# Altium PCB MCU023_MSP-EXP432E401Y.PcbDoc (part 4 of 4)
Units mil, origin at the board's own origin, x right, y up, seen from the top; angles counter-clockwise.
Board outline 2500 x 6850 mil, 4 copper layers (Top Layer, VCC Layer, GND Layer, Bottom Layer), stack 62.434 mil thick; 203 components, 183 nets, 939 pads, 602 vias.
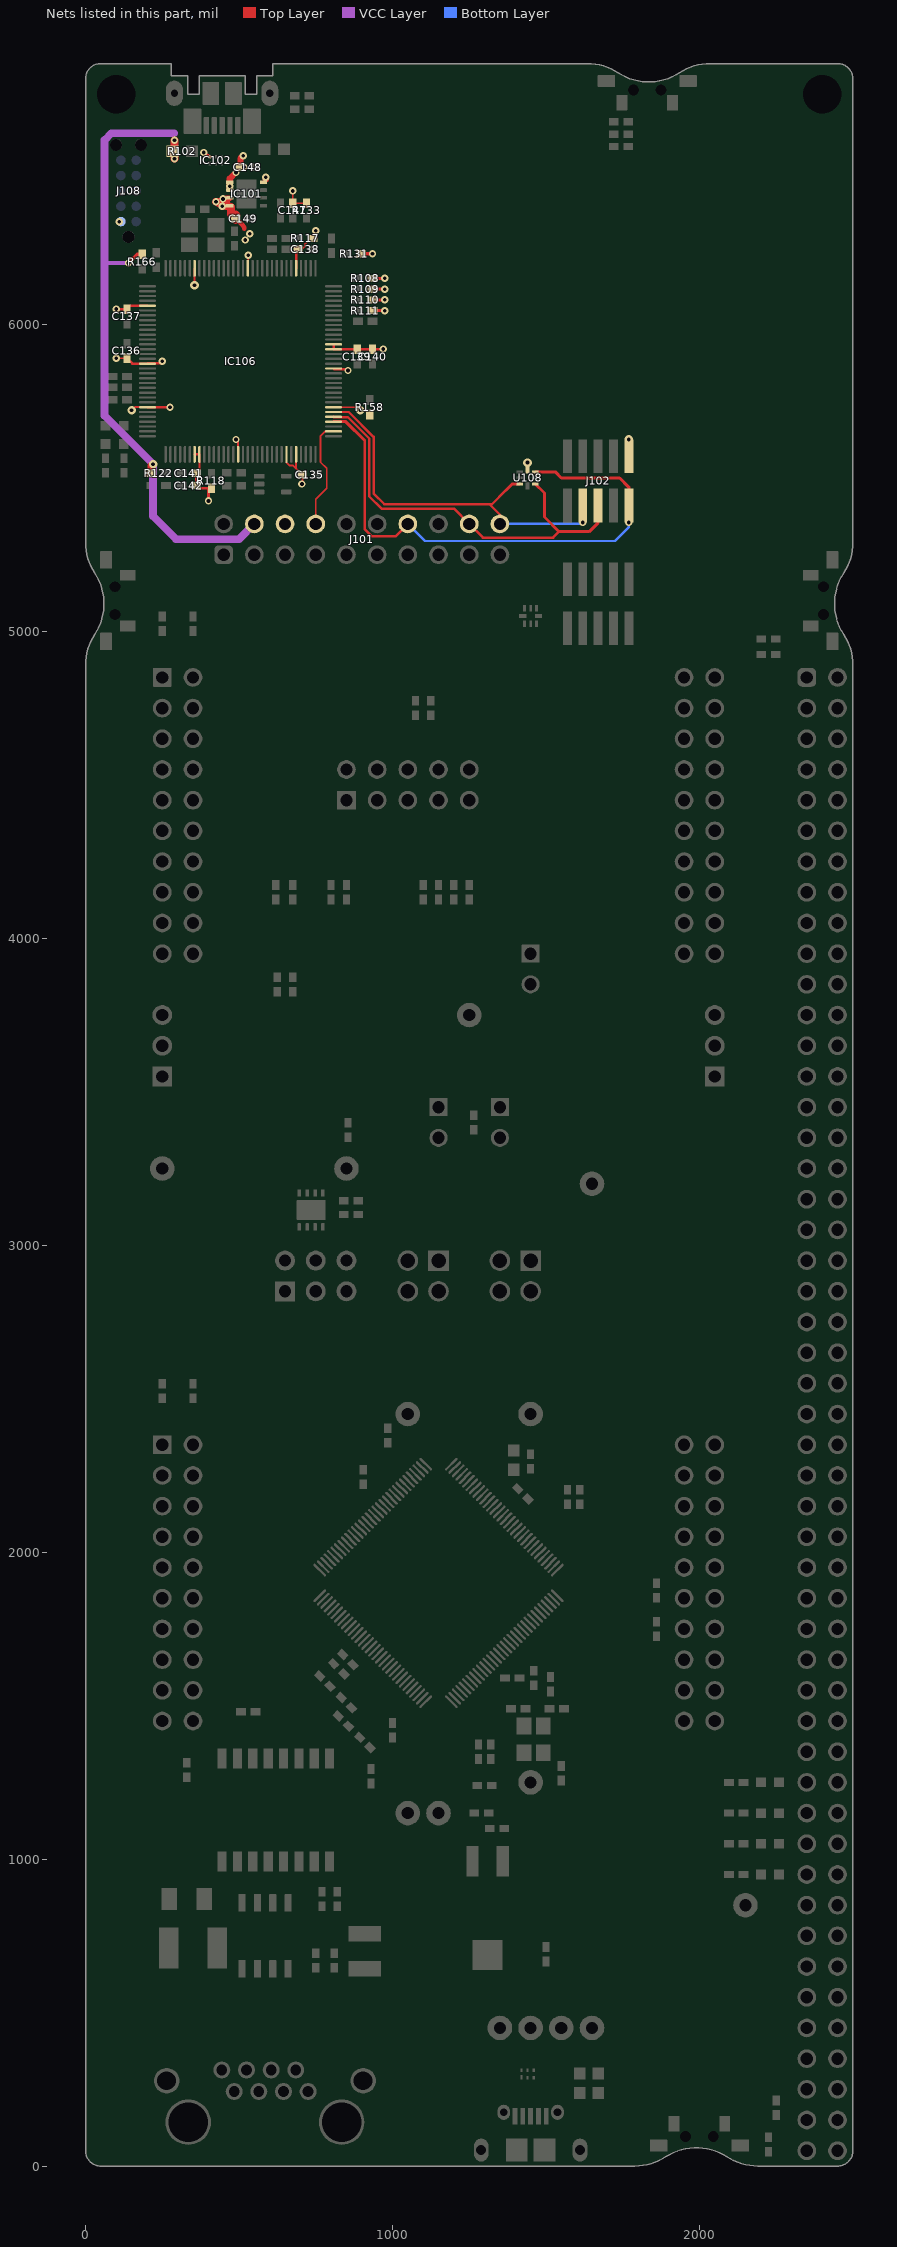
[diagram p6: the nets of this part, all layers, seen from the top]

## Via types
v1: diameter 28, hole 12, Top Layer to Bottom Layer, 442 vias
v2: diameter 24, hole 12, Top Layer to Bottom Layer, 86 vias
v3: diameter 28/28/28/28 (per signal layer), hole 12, Top Layer to Bottom Layer, 66 vias
v4: diameter 19.68, hole 7.87, Top Layer to Bottom Layer, 8 vias

## Nets (pads, with @x,y where several pads share a name; then routed paths per layer and width w, separated by ;. In a path a pad name is that pad's centre, name@x,y a point inside that pad or via, vN(x,y) a via of type N, cw(c..) or ccw(c..) an arc to the next point about the centre after c; other vN are vias at no path point) (continued)
XDS_TDI: IC106.38 J101.20 J102.8 U108.3 | length 1209.5
  Top Layer w8: IC106.38@808.15,5714.64 857.54,5714.64 938.47,5633.71 938.47,5449.07 973.54,5414 1316,5414 ; J101.20@1350,5350 1350,5380 1316,5414 ; 1370,5460 1324,5414 1316,5414
  Top Layer w10: 1370,5460 1390,5480 1414.09,5480 U108.3@1414.41,5480.31
  Bottom Layer w8: J101.20@1350,5350 v2@1615,5350
  other v2: 1620,5355
XDS_TDO_SWO: IC106.37 J101.18 J102.6 U108.5 | length 1398
  Top Layer w8: IC106.37@808.15,5698.9 808.9,5698.15 854.24,5698.15 924.47,5627.91 924.47,5440 964.47,5400 1200,5400 J101.18@1250,5350 1294.47,5305.53 1523.2,5305.53 1542.67,5325
  Top Layer w10: U108.5@1465.59,5480.31 1495,5450.91 1495,5372.67 1542.67,5325 1640.83,5325 1670,5354.17 J102.6@1670,5409.88
XDS_TMS_SWDIO: IC106.36 J101.14 J102.2 U108.7 | length 1743.6
  Top Layer w8: 909.47,5621.7 909.47,5333.21 933.21,5309.47 1009.47,5309.47 J101.14@1050,5350
  Top Layer w10: IC106.36@808.15,5683.15 848.02,5683.15 909.47,5621.7 ; U108.7@1465.59,5519.69 1530.32,5519.69 1550.12,5499.88 1740.12,5499.88 1770,5470 J102.2@1770,5409.88
  Bottom Layer w8: J101.14@1050,5350 1105.53,5294.47 1724.47,5294.47 ; 1725,5295 1770,5340 v2(1770,5355)
XDS_TXD: IC106.34 J101.8 | length 332.2
  Top Layer w6: J101.8@750,5350 750,5430.3 786,5466.3 786,5530.81 765,5551.81 765,5635 IC106.34@781.65,5651.65
XDS_VBUS: C148.1 IC101.1 IC101.2 IC101.8 IC102.6 J101.4 R102.2 R122.2 R166.1 | length 2267.3
  Top Layer w10: v2(385,6560) IC102.6@405.32,6546.81 ; v2@513.83,6544.42 v2(513.83,6550)
  Top Layer w12: v2(140,6200) 168.62,6228.62 R166.1@185,6228.62
  Top Layer w20: IC101.2@469.88,6440.7 IC101.1@469.88,6463.39 469.88,6474.88 v2(490,6495) ; C148.1@504.59,6512.34 504.59,6540.76 v2(513.83,6550) ; v2@587.01,6471.73 v2(587.01,6480)
  Top Layer w25: R122.2@215,5515 v3@215,5540 ; R102.2@283.5,6565 290,6571.5 v2(290,6600.39) ; v2(290,6540) R102.2@290,6558.5
  VCC Layer w12: 62,6200 v2(140,6200)
  VCC Layer w25: 288.45,6623 84.26,6623 62,6600.74 62,6200 62,5703 v3(220,5545) 220,5375 295,5300 500,5300 J101.4@550,5350
  other v2: 470,6450 516.4,6512.34
XDS_VCC: C135.1 C136.1 C137.1 C138.1 C139.1 C140.1 C141.1 C142.1 C147.1 C149.1 IC101.3 IC101.4 IC106.7 IC106.8 IC106.16 IC106.26 IC106.28 IC106.39 IC106.47 IC106.51 IC106.52 IC106.69 IC106.79 IC106.90 IC106.101 IC106.113 IC106.122 J101.6 J102.1 J108.1 R108.2 R109.2 R110.2 R111.2 R117.2 R118.2 R131.2 R133.2 R158.2 U108.8 | length 1830
  Top Layer w6: v2@105,5890 C136.1@135,5890 ; v3(150,5720) 160.59,5730.59 IC106.122@201.65,5730.59 ; IC106.113@201.85,5872.12 IC106.113@202.79,5873.06 ; v3@355.4,6128.43 IC106.90@355.4,6183.15 ; v2(490,5625) 497.13,5617.87 IC106.16@497.13,5576.85 ; IC106.79@530,6184.52 v2@530,6230 ; IC106.26@654.61,5550.68 665,5540.29 676.09,5540.29 686.1,5530.27 ; v2(675,6435) C147.1@675,6395 R133.2@720,6395 ; IC106.28@686.1,5576.85 686.1,5530.27 ; C138.1@692.76,6245 705,6245 715.25,6255.25 715.25,6262.21 R117.2@733.04,6280 ; v2@706.38,5481.38 C135.1@706.38,5510 686.1,5530.27 ; R117.2@750,6290 v2(750,6305) ; IC106.39@808.15,5730.39 845,5730.22 884.78,5730.22 v1(895,5720) 912.57,5720 R158.2@926.19,5706.38 ; U108.8@1440,5525.59 v3(1440,5550)
  Top Layer w7: IC106.122@201.85,5730.39 v2@274.61,5730.39 ; C141.1@350,5515 C141.1@355.4,5520.39 ; IC106.7@355.4,5576.85 IC106.8@371.14,5576.85 C141.1@371.14,5526.14 ; C141.1@360,5515 C142.1@360,5475 368.62,5466.38 R118.2@400,5466.38
  Top Layer w8: v2(100,6050) C137.1@135,6050 146.1,6061.1 IC106.101@201.85,6061.1 ; C136.1@135,5890 152.88,5872.12 IC106.113@201.85,5872.12 ; IC106.113@202.79,5873.06 243.06,5873.06 v2(250,5880) ; IC106.69@686.1,6183.15 686.1,6231.1 ; IC106.52@808.15,5935.12 IC106.51@808.15,5919.37 C140.1@934.25,5919.37 ; IC106.47@809.96,5854.57 850.43,5854.57 v2(855,5850) ; C140.1@935,5918.62 v2@968.62,5918.62
  Top Layer w10: v2@400,5425.53 R118.2@400,5466.38 ; R111.2@935,6045 v2(975,6045) ; R110.2@935,6080 v2(975,6080) ; R109.2@935,6115 v2(975,6115) ; R108.2@935,6150 v2(975,6150)
  Top Layer w12: R131.2@898.62,6230 v2(935,6230)
  Top Layer w15: C149.1@489.72,6345 490.27,6345 510.31,6324.96 510.31,6324.41 517.7,6317.03 517.7,6312.3
  Top Layer w20: v2@457.68,6410 IC101.3@467.68,6410
  Top Layer w25: v2(425,6400) v2@430,6400 ; v2(445,6385) v2@430,6400 ; 457.68,6385 IC101.4@468.27,6385 ; 457.68,6400 v2@430,6400 ; IC101.4@474.02,6382.48 474.02,6359.26 488.5,6359.26 C149.1@492.76,6355 ; C149.1@489.72,6340.28 C149.1@489.72,6345
  other v2: 400.53,5425 705,5480 275,5730 100,5890 970,5920 530,6225 520,6275 535,6295 110,6335 447.69,6408.93
  other v3: 1770,5625 355,6128.03
pads on no net: BSL.2 BSL.7 IC6.2 IC6.4 IC6.5 IC101.7 IC106.2 IC106.5 IC106.6 IC106.11 IC106.12 IC106.13 IC106.14 IC106.15 IC106.18 IC106.19 IC106.20 IC106.21 IC106.22 IC106.23 IC106.24 IC106.25 IC106.27 IC106.29 IC106.30 IC106.31 IC106.32 IC106.41 IC106.42 IC106.43 IC106.44 IC106.45 IC106.46 IC106.49 IC106.50 IC106.53 IC106.54 IC106.56 IC106.57 IC106.65 IC106.67 IC106.71 IC106.72 IC106.73 IC106.74 IC106.75 IC106.76 IC106.77 IC106.78 IC106.81 IC106.82 IC106.83 IC106.84 IC106.85 IC106.86 IC106.91 IC106.92 IC106.102 IC106.103 IC106.104 IC106.105 IC106.106 IC106.107 IC106.108 IC106.109 IC106.110 IC106.111 IC106.112 IC106.116 IC106.117 IC106.118 IC106.119 IC106.120 IC106.121 IC106.123 IC106.124 IC106.125 IC106.126 IC106.127 IC106.128 J108.7 J108.MH1 J108.MH2 J108.MH3 JP1.1 MH1.1 MH2.1 RESET_SW1. RESET_SW1._1 SH-J101A.0 SH-J101B.0 SH-J101C.0 SH-J101D.0 SH-J101E.0 SH-J101F.0 SH-J101G.0 SH-J101H.0 SH-J101I.0 SH-J101J.0 SH-JP1.0 SH-JP2.0 SH-JP4A.0 SH-JP4B.0 SH-JP5A.0 SH-JP5B.0 SH-JP6.0 SH-JP7.0 U2.5 U8.1 U10.4 U10.5 U10.12 U10.13 U108.1 USR_SW1. USR_SW1._1 USR_SW2. USR_SW2._1 Wake_SW4. Wake_SW4._1 Y1.2 Y1.4 Y3.3

## Polygon pours and split planes (outlines as drawn)
+3V3 on VCC Layer "+3V3" (solid, remove dead copper, pour order 32): 0,5300 2300,5300 2500,5300 2500,4890 2500,0 0,0
XDS_VCC on VCC Layer "XDS_VCC" (solid, remove dead copper, pour order 26): -10,6860 2500,6860 2500,5320 -10,5320
XDS_VBUS on VCC Layer "VCC_LAYER_XDS_VBUS_P010" (solid, remove dead copper, pour order 10): 419.41,6648.19 370,6648.19 275,6648.19 275,6510 275,6470 275,6422.76 425.71,6422.76 595,6422.76 595,6565 525.02,6648.19
MCU_3V3 on VCC Layer "MCU_3V3" (solid, remove dead copper, pour order 28): 1400,3900 1500,3900 1500,3800 1700,3600 1700,2150 1700,0 350,0 350,1300 350,1400 550,1600 550,3600 750,3800 1400,3800
GND on GND Layer "GND" (solid, remove dead copper, pour order 30): 0,5300 2300,5300 2500,5300 2500,4890 2500,0 0,0
XDS_GND on GND Layer "GND" (solid, remove dead copper, pour order 6): 0,5300 2500,5300 2500,6850 0,6850
XDS_GND on Bottom Layer "BOTTOM_LAYER_XDS_GND_P012" (solid, remove dead copper, pour order 12): -10,6860 -5,6857.93 2500,6860 2500,5300 0,5300
XDS_GND on Top Layer "TOP_LAYER_XDS_GND_P014" (solid, remove dead copper, pour order 14): -10,6860 2500,6860 2500,5300 -10,5300
XDS_VCC on Top Layer "XDS_VCC" (solid, remove dead copper, pour order 4): 415,6420 515,6420 515,6345 555,6305 555,6260 505,6260 475,6290 475,6335 450,6360 415,6360

## Keep-outs
Keep-Out Layer:
  text ".Layer_Name" at 577,-1758.49 h60

## Other copper
Top Layer:
  pour cut-out: 300.83,6355 300.83,6232.24 302.28,6230.79 460,6230.79 460,6354.17 460,6359 455.17,6359 300,6359
  pour cut-out: 1530.43,5489.8 1530.83,5490.2 1730.43,5490.2 1730.43,5509.57 1730,5510 1530,5510 1530,5490.24
  text ".Layer_Name" at 577,-1758.49 h60
VCC Layer:
  pour cut-out: -5.01,6855.01 -5.01,6634.13 162.15,6634.13 646.97,6634.13 646.97,6850
  pour cut-out: 300.83,6355 300.83,6232.24 302.28,6230.79 460,6230.79 460,6354.17 460,6359 455.17,6359 300,6359
  pour cut-out: 0,1300 870,1300 950,1220 950,1085 1020,1015 1020,0 0,0
  text "MP" at 220,5230 h40
  text ".Layer_Name" at 577,-1758.49 h60
GND Layer:
  pour cut-out: 300.83,6355 300.83,6232.24 302.28,6230.79 460,6230.79 460,6354.17 460,6359 455.17,6359 300,6359
  pour cut-out: 0,1300 870,1300 950,1220.79 950,1085 1020,1015 1020,0 0,0
  text "MP" at 220,5230 h40
  text "'.Layer_Name'" at 577,-1758.49 h60
Bottom Layer:
  pour cut-out: 300.83,6355 300.83,6232.24 302.28,6230.79 460,6230.79 460,6354.17 460,6359 455.17,6359 300,6359
  text ".Layer_Name" at 577,-1758.49 h60

## Silkscreen, mask and mechanical layers (free items; w line width, h text height)
Top Overlay:
  drawing of 1986 lines, arcs and shapes, not listed
  text "Rev. .PCB_Rev" at 2485,5830 h30 r90
  text "XDS110" at 95,5330 h40
  text "MSP-EXP432E401Y" at 2430,5320 h50 r90
  text "'.PRJ_Number'" at 2485,5320 h30 r90
  text "PJ1" at 2275,5120 h30 r90
  text "PJ0" at 255,5115 h30 r90
  text "RST" at 970,5075 h40 r90
  text "TMS" at 1070,5075 h40 r90
  text "TCK" at 1170,5075 h40 r90
  text "TDO" at 1270,5075 h40 r90
  text "TDI" at 1370,5075 h40 r90
  text "RXD<<" at 770,5005 h40 r90
  text "TXD>>" at 870,5005 h40 r90
  text "PF1" at 1745,4830 h40
  text "3" at 2270,4735 h30
  text "PE4" at 45,4730 h40
  text "PF2" at 1745,4730 h40
  text "PM3" at 2115,4730 h40
  text "PC4" at 45,4630 h40
  text "PE0" at 415,4630 h40
  text "PF3" at 1745,4630 h40
  text "PH2" at 2115,4630 h40
  text "PC5" at 45,4530 h40
  text "PE1" at 415,4530 h40
  text "PG0" at 1745,4530 h40
  text "PH3" at 2115,4530 h40
  text "PC6" at 45,4430 h40
  text "PE2" at 415,4430 h40
  text "PL4" at 1745,4430 h40
  text "RST" at 2115,4430 h40
  text "11" at 2255,4335 h30
  text "PE5" at 45,4330 h40
  text "PE3" at 415,4330 h40
  text "PL5" at 1745,4330 h40
  text "PD1" at 2115,4330 h40
  text "PD3" at 45,4230 h40
  text "PD7" at 415,4230 h40
  text "PL0" at 1745,4230 h40
  text "PD0" at 2115,4230 h40
  text "PC7" at 45,4130 h40
  text "PD6" at 415,4130 h40
  text "PL1" at 1745,4130 h40
  text "PN2" at 2115,4130 h40
  text "I2C" at 595,4045 h40
  text "UART" at 755,4045 h40
  text "SPI" at 1130,4045 h40
  text "PB2" at 45,4030 h40
  text "PM4" at 415,4030 h40
  text "PL2" at 1745,4030 h40
  text "PN3" at 2115,4030 h40
  text "PB3" at 45,3930 h40
  text "PM5" at 415,3930 h40
  text "PL3" at 1745,3930 h40
  text "PP2" at 2115,3930 h40
  text "21" at 2250,3835 h30
  text "MCU 3V3" at 1545,3800 h30 r90
  text "GND" at 1210,3655 h30
  text "PQ4" at 1110,3520 h30
  text "PD6" at 1310,3520 h30
  text "31" at 2250,3335 h30
  text "GND" at 210,3155 h30
  text "GND" at 1610,3105 h30
  text "XDS" at 1835,2935 h40
  text "J5" at 2085,2935 h40
  text "5V-EXT" at 280,2910 h40
  text "JP5" at 1600,2875 h30
  text "JP4" at 1710,2875 h30
  text "110" at 1840,2875 h40
  text "*RX" at 2000,2875 h40
  text "*TX" at 2140,2875 h40
  text "5V-OTG" at 280,2785 h40
  text "UART0" at 1822.5,2765 h30
  text "PD4" at 2015,2765 h30
  text "PD5" at 2155,2765 h30
  text "5V-XDS" at 280,2660 h40
  text "UART2" at 1822.5,2655 h30
  text "PA0" at 2015,2655 h30
  text "PA1" at 2160,2655 h30
  text "PG1" at 1745,2330 h40
  text "PD2" at 45,2230 h40
  text "PK4" at 1745,2230 h40
  text "PM7" at 2115,2230 h40
  text "PP0" at 45,2130 h40
  text "PB4" at 415,2130 h40
  text "PK5" at 1745,2130 h40
  text "PP5" at 2115,2130 h40
  text "PP1" at 45,2030 h40
  text "PB5" at 415,2030 h40
  text "PM0" at 1745,2030 h40
  text "PA7" at 2115,2030 h40
  text "*RX" at 45,1930 h40
  text "PK0" at 415,1930 h40
  text "PM1" at 1725,1930 h40
  text "RST" at 2115,1930 h40
  text "61" at 2250,1835 h30
  text "*TX" at 45,1830 h40
  text "PK1" at 415,1830 h40
  text "PM2" at 1725,1830 h40
  text "PQ2" at 2115,1830 h40
  text "PQ0" at 45,1730 h40
  text "PK2" at 415,1730 h40
  text "PH0" at 1725,1730 h40
  text "PQ3" at 2115,1730 h40
  text "PP4" at 45,1630 h40
  text "PK3" at 415,1630 h40
  text "PH1" at 1725,1630 h40
  text "PP3" at 2115,1630 h40
  text "PN5" at 45,1530 h40
  text "PA4" at 415,1530 h40
  text "PK6" at 1745,1530 h40
  text "PQ1" at 2115,1530 h40
  text "PN4" at 45,1430 h40
  text "PK7" at 1745,1430 h40
  text "PM6" at 2115,1430 h40
  text "PA5" at 415,1410 h40
  text "71" at 2250,1335 h30
  text "WAKE" at 995,1045 h30
  text "81" at 2250,835 h30
  text "GND" at 2110,755 h30
  text "91" at 2250,335 h30
  text ".Layer_Name" at 577,-1758.49 h60
Bottom Overlay:
  drawing of 4832 lines, arcs and shapes, not listed
  text "3V3" at 2390,4910 h30
  text "5V" at 2475,4910 h30
  text "PF1" at 1885,4830 h40
  text "GND" at 2200,4790 h30 r90
  text "GND" at 2280,4790 h30 r90
  text "PE4" at 185,4730 h40
  text "PF2" at 1885,4730 h40
  text "PB4" at 2200,4690 h30 r90
  text "PA2" at 2280,4690 h30 r90
  text "PC4" at 185,4630 h40
  text "PE0" at 555,4630 h40
  text "PF3" at 1885,4630 h40
  text "PB5" at 2200,4590 h30 r90
  text "PA3" at 2280,4590 h30 r90
  text "PC5" at 185,4530 h40
  text "PE1" at 555,4530 h40
  text "PG0" at 1885,4530 h40
  text "PH0" at 2200,4490 h30 r90
  text "PA4" at 2280,4490 h30 r90
  text "PC6" at 185,4430 h40
  text "PE2" at 555,4430 h40
  text "PL4" at 1885,4430 h40
  text "PA5" at 2280,4390 h30 r90
  text "PH1" at 2200,4385 h30 r90
  text "PE5" at 185,4330 h40
  text "PE3" at 555,4330 h40
  text "PL5" at 1885,4330 h40
  text "PH2" at 2200,4290 h30 r90
  text "PE0" at 2280,4290 h30 r90
  text "PD3" at 185,4230 h40
  text "PD7" at 555,4230 h40
  text "PL0" at 1885,4230 h40
  text "PH3" at 2199.62,4191.42 h30 r90
  text "PE1" at 2280,4185 h30 r90
  text "PC7" at 185,4130 h40
  text "PD6" at 555,4130 h40
  text "PL1" at 1885,4130 h40
  text "PC7" at 2200,4090 h30 r90
  text "PE2" at 2280,4090 h30 r90
  text "PB2" at 185,4030 h40
  text "PM4" at 555,4030 h40
  text "PL2" at 1885,4030 h40
  text "PC6" at 2200,3990 h30 r90
  text "PE3" at 2280,3990 h30 r90
  text "PB3" at 185,3930 h40
  text "PM5" at 555,3930 h40
  text "PL3" at 1885,3930 h40
  text "PC5" at 2200,3890 h30 r90
  text "PE4" at 2280,3890 h30 r90
  text "PC4" at 2200,3790 h30 r90
  text "PE5" at 2280,3790 h30 r90
  text "PA6" at 2200,3690 h30 r90
  text "PK0" at 2280,3690 h30 r90
  text "PA7" at 2200,3590 h30 r90
  text "PK1" at 2280,3585 h30 r90
  text "PK2" at 2280,3490 h30 r90
  text "PG1" at 2200,3485 h30 r90
  text "PG0" at 2200,3390 h30 r90
  text "PK3" at 2280,3390 h30 r90
  text "PM3" at 2200,3290 h30 r90
  text "REF" at 2280,3290 h30 r90
  text "GND" at 2200,3190 h30 r90
  text "GND" at 2280,3190 h30 r90
  text "PM2" at 2200,3090 h30 r90
  text "PD5" at 2280,3090 h30 r90
  text "PD4" at 2280,2990 h30 r90
  text "PM1" at 2200,2985 h30 r90
  text "PM0" at 2200,2890 h30 r90
  text "PD7" at 2280,2890 h30 r90
  text "PL0" at 2200,2790 h30 r90
  text "PD6" at 2280,2790 h30 r90
  text "PD3" at 2280,2690 h30 r90
  text "PL1" at 2200,2685 h30 r90
  text "PL2" at 2200,2590 h30 r90
  text "PD1" at 2280,2585 h30 r90
  text "PL3" at 2200,2490 h30 r90
  text "PD0" at 2280,2490 h30 r90
  text "PQ0" at 2200,2390 h30 r90
  text "PD2" at 2280,2390 h30 r90
  text "PG1" at 1885,2330 h40
  text "PP0" at 2280,2290 h30 r90
  text "PQ1" at 2200,2285 h30 r90
  text "PD2" at 185,2230 h40
  text "PK4" at 1885,2230 h40
  text "PQ2" at 2200,2190 h30 r90
  text "PP1" at 2280,2185 h30 r90
  text "PP0" at 185,2130 h40
  text "PB4" at 555,2130 h40
  text "PK5" at 1885,2130 h40
  text "PQ3" at 2200,2090 h30 r90
  text "PB0" at 2280,2090 h30 r90
  text "PP1" at 185,2030 h40
  text "PB5" at 555,2030 h40
  text "PM3" at 1885,2030 h40
  text "PK7" at 2200,1990 h30 r90
  text "PB1" at 2280,1985 h30 r90
  text "*RX" at 185,1930 h40
  text "PK0" at 555,1930 h40
  text "PM1" at 1885,1930 h40
  text "GND" at 2200,1890 h30 r90
  text "GND" at 2280,1890 h30 r90
  text "*TX" at 185,1830 h40
  text "PK1" at 555,1830 h40
  text "PM2" at 1885,1830 h40
  text "PK6" at 2200,1790 h30 r90
  text "PF4" at 2280,1790 h30 r90
  text "PQ0" at 185,1730 h40
  text "PK2" at 555,1730 h40
  text "PH0" at 1885,1730 h40
  text "PL4" at 2200,1690 h30 r90
  text "PF0" at 2280,1690 h30 r90
  text "PP4" at 185,1630 h40
  text "PK3" at 555,1630 h40
  text "PH1" at 1885,1630 h40
  text "PB2" at 2200,1590 h30 r90
  text "PF1" at 2280,1585 h30 r90
  text "PN5" at 185,1530 h40
  text "PA4" at 555,1530 h40
  text "PK6" at 1885,1530 h40
  text "PB3" at 2200,1490 h30 r90
  text "PF2" at 2280,1490 h30 r90
  text "PN4" at 185,1430 h40
  text "PA5" at 555,1430 h40
  text "PK7" at 1885,1430 h40
  text "PP2" at 2200,1390 h30 r90
  text "PF3" at 2280,1390 h30 r90
  text "PP3" at 2200,1290 h30 r90
  text "PA0" at 2280,1290 h30 r90
  text "PK5" at 2200,1190 h30 r90
  text "PA1" at 2280,1185 h30 r90
  text "PK4" at 2200,1090 h30 r90
  text "PP4" at 2280,1090 h30 r90
  text "PL5" at 2200,990 h30 r90
  text "PP5" at 2280,990 h30 r90
  text "PN4" at 2230,890 h30 r90
  text "PJ0" at 2280,890 h30 r90
  text "PN5" at 2200,790 h30 r90
  text "PJ1" at 2280,785 h30 r90
  text "PN0" at 2200,690 h30 r90
  text "PM7" at 2280,690 h30 r90
  text "PM6" at 2280,590 h30 r90
  text "PN1" at 2200,585 h30 r90
  text "PN2" at 2200,490 h30 r90
  text "PM5" at 2280,490 h30 r90
  text "PN3" at 2200,390 h30 r90
  text "PM4" at 2280,390 h30 r90
  text "PQ4" at 2200,290 h30 r90
  text "RST" at 2280,290 h30 r90
  text "WAK" at 2200,190 h30 r90
  text "GND" at 2280,190 h30 r90
  text "3V3" at 2280,90 h30 r90
  text "5V" at 2200,75 h30 r90
  text ".Layer_Name" at 577,-1758.49 h60
Top Paste:
  text ".Layer_Name" at 577,-1758.49 h60
Bottom Paste:
  text ".Layer_Name" at 577,-1758.49 h60
Top Solder:
  text ".Layer_Name" at 577,-1758.49 h60
Bottom Solder:
  text ".Layer_Name" at 577,-1758.49 h60
Drill Guide:
  text ".Layer_Name" at 577,-1758.49 h60
M1 Board Outline:
  the board outline again, w10
  text ".Layer_Name" at 577,-1758.49 h60
M2 Board Dimensions:
  rectangle: 0,-1175 125,-1050
  rectangle: 125,-1300 500,-1175
  lines w7: 0,-1175 1000,-1175 ; 125,-1300 125,-1050 ; 250,-1300 250,-1050 ; 500,-1300 500,-1050 ; 750,-1300 750,-1050 ; 0,-1300 1000,-1300 1000,-1050 0,-1050 0,-1300
  text ".Layer_Name" at 577,-1758.49 h60
M3 3D STEP Top:
  text ".Layer_Name" at 577,-1758.49 h60
M4 3D STEP Bottom:
  text ".Layer_Name" at 577,-1758.49 h60
M5 Assembly Top:
  lines w10: -292,-1830.17 6308,-1830.17 ; -292,-1626.83 6310,-1626.83 ; -292,-1423.5 -292,-2033.5 3713,-2033.5 6310,-2033.5 6310,-1423.5 -291.5,-1423.5 -291.5,-2033.5 1284,-2033.5 ; 2173,-2033.5 2173,-1423.5 ; 3440,-1626.83 3440,-1423.5 ; 4280,-1626.83 4280,-1423.5 ; 4902,-2040 4902,-1837.17
  text "COMPONENTS MARKED 'DNP' SHOULD NOT BE POPULATED." at 1153.5,-1218.5 h60
  text "ASSEMBLY VARIANT:" at 1153,-1334 h60
  text ".VariantName" at 2189,-1334 h60
  text "PCB VIEWED FROM TOP SIDE" at -228.5,-1555.67 h60
  text "BOARD #:" at 2248,-1555.67 h60
  text ".PRJ_Number" at 2793.5,-1555.67 h60
  text "REV:" at 3638,-1555.67 h60
  text ".PCB_Rev" at 3929.5,-1555.67 h60
  text "SVN REV:" at 4476,-1555.67 h60
  text ".VersionControl_RevNumber" at 4982,-1555.67 h60
  text "TID #:" at 2248,-1759 h60
  text ".TID" at 2793.5,-1759 h60
  text "PLOT NAME =" at -228.5,-1964.34 h60
  text ".plot_File_Name" at 577,-1964.34 h60
  text "GENERATED    :" at 2250,-1964.34 h60
  text ".Print_Date" at 3119.5,-1964.34 h60
  text ".Print_Time" at 3848.5,-1964.34 h60
  text "TEXAS INSTRUMENTS" at 5113,-1964.34 h60
M6 Assembly Bottom:
  lines w10: -292.5,-1627.33 6309.5,-1627.33 ; -290.5,-1830.67 6309.5,-1830.67 ; 1115.5,-2040.5 1115.5,-1837.67 ; 1737.5,-1627.33 1737.5,-1424 ; 2577.5,-1627.33 2577.5,-1424 ; 3844.5,-2034 3844.5,-1424 ; 4733.5,-2034 6309,-2034 6309,-1424 -292.5,-1424 -292.5,-2034 2304.5,-2034 6309.5,-2034 6309.5,-1424
  text "COMPONENTS MARKED 'DNP' SHOULD NOT BE POPULATED." at 6102,-1218 h60
  text ".VariantName" at 5058,-1334 h60
  text "ASSEMBLY VARIANT:" at 6097,-1334 h60
  text ".VersionControl_RevNumber" at 1035.5,-1556.17 h60
  text "SVN REV:" at 1541.5,-1556.17 h60
  text ".PCB_Rev" at 2088,-1556.17 h60
  text "REV:" at 2379.5,-1556.17 h60
  text ".PRJ_Number" at 3224,-1556.17 h60
  text "BOARD #:" at 3769.5,-1556.17 h60
  text "PCB VIEWED FROM BOTTOM SIDE" at 6246,-1556.17 h60
  text ".TID" at 3224,-1759.5 h60
  text "TID #:" at 3769.5,-1759.5 h60
  text "TEXAS INSTRUMENTS" at 904.5,-1964.84 h60
  text ".Print_Time" at 2169,-1964.84 h60
  text ".Print_Date" at 2898,-1964.84 h60
  text "GENERATED    :" at 3767.5,-1964.84 h60
  text ".plot_File_Name" at 5440.5,-1964.84 h60
  text "PLOT NAME =" at 6246,-1964.84 h60
M9 Title Sheet:
  drawing of 57 lines, arcs and shapes, not listed
  text "1" at 739.84,7136.5 h70
  text "2" at 3235.5,7136.5 h70
  text "3" at 5724.84,7136.5 h70
  text "4" at 8231.51,7136.5 h70
  text "5" at 10730.5,7136.5 h70
  text "6" at 13235.5,7136.5 h70
  text "A" at -416.5,5993.5 h70
  text "A" at 14383.5,5993.5 h70
  text "B" at -416.5,3613.5 h70
  text "B" at 14383.5,3613.5 h70
  text "C" at -416.5,1238.5 h70
  text "C" at 14383.5,1238.5 h70
  text "PROJECT TITLE:" at 11343.5,-622.5 h45
  text ".PRJ_Title" at 11393.5,-755.83 h70
  text "DESIGNED FOR:" at 11343.5,-923.5 h45
  text ".PRJ_Customer" at 11393.5,-1063.5 h70
  text "D" at -416.5,-1131.5 h70
  text "D" at 14383.5,-1131.5 h70
  text "FILE NAME:" at 11343.5,-1223.5 h45
  text ".PCB_File_Name_No_Path" at 11393.5,-1343.5 h70
  text "Texas Instruments (TI) and/or its licensors do not warrant the accuracy or completeness of this specification" at 6374,-1505.34 h45
  text "ENGINEER:" at 11343.5,-1513.5 h45
  text "LAYOUT BY:" at 12848.5,-1513.5 h45
  text "or any information contained therein. TI and/or its licensors do not warrant that this design will meet" at 6329.01,-1618 h45
  text ".PRJ_Engineer" at 11393.5,-1668.49 h70
  text ".PCB_Layout" at 12899,-1668.49 h70
  text "the specifications, will be suitable for your application or fit for any particular purpose, or will operate in" at 6329.01,-1730.67 h45
  text ".Layer_Name" at 577,-1758.49 h60
  text "ALTIUM DESIGNER VERSION:" at 12848.5,-1823.5 h45
  text "an implementation. TI and/or its licensors do not warrant that the design is production worthy. You should" at 6329.01,-1843.33 h45
  text "completely validate and test your design implementation to confirm the system functionality for your application." at 6374,-1956 h45
  text ".print_Scale" at 11393.5,-1956.83 h70
  text ".Application_BuildNumber" at 12899,-1956.83 h70
  text "1" at 739.84,-2163.5 h70
  text "2" at 3235.5,-2163.5 h70
  text "3" at 5724.84,-2163.5 h70
  text "4" at 8231.51,-2163.5 h70
  text "5" at 10730.5,-2163.5 h70
  text "6" at 13235.5,-2163.5 h70
M10 Fab Notes:
  drawing of 173 lines, arcs and shapes, not listed
  text "DESIGN INFORMATION" at 12378.02,5301 h60
  text "MIN. TRACK WIDTH:" at 11733.46,5121 h60
  text "6" at 12829.7,5121 h60
  text "MIL" at 12984.46,5121 h60
  text "MIN. CLEARANCE:" at 11733.46,4989 h60
  text "6" at 12769.7,4989 h60
  text "MIL" at 12984.46,4989 h60
  text "MIN. VIA PAD SIZE:" at 11733.46,4857 h60
  text "24" at 12799.71,4857 h60
  text "MIL" at 12984.46,4857 h60
  text "0.05mm (2MIL)" at 12428.46,4715.29 h60
  text "MINIMUM ANNULAR RING" at 11404.23,4711 h60
  text "EXTERNAL" at 13136.46,4711 h60
  text "PER" at 11604.23,4593 h60
  text "IPC-D-275 CLASS 2 LEVEL C" at 11824.23,4593 h60
  text "MIL, HOLES" at 13312.46,4480.71 h60
  text "+/-" at 12920,4480 h60
  text "+/-" at 13774,4480 h60
  text "REGISTRATION TOLERANCES:" at 11404.23,4475 h60
  text "METAL" at 12604,4475 h60
  text "5" at 13180.2,4475 h60
  text "3" at 14013.2,4475 h60
  text "MIL" at 14129.46,4475 h60
  text "+/-" at 13774,4362 h60
  text "HOLE SIZE TOLERANCE (UNLESS OTHERWISE SPECIFIED):" at 11404.23,4357 h60
  text "3" at 14013.2,4357 h60
  text "MIL" at 14129.46,4357 h60
  text "MATERIAL:" at 11329.46,4147.54 h60
  text "FR-4 High Tg" at 12315.9,4007.21 h60
  text "FR-408" at 11750.46,3998.64 h60
  text "OTHER" at 13238.46,3998.64 h60
  text "X" at 12161,3995 h60
  text "62 MIL (1.6mm) +/-10%" at 12070.56,3835.92 h60
  text "THICKNESS:" at 11404.23,3831.64 h60
  text "X" at 11942.4,3831.64 h60
  text "OTHER" at 13355.46,3831.64 h60
  text "TOLERANCE:" at 11404.23,3673.64 h60
  text "X" at 12243.53,3673.64 h60
  text "ANSI IPC-6012 TYPE 3 CLASS 2" at 12430.48,3673.64 h60
  text "OTHER +/-" at 12430.46,3517.64 h60
  text "BOW & TWIST:" at 11404.23,3360.64 h60
  text "X" at 12243.53,3360.64 h60
  text "ANSI IPC-6012 TYPE 3 CLASS 2" at 12430.48,3360.64 h60
  text "OTHER +/-" at 12430.46,3202.13 h60
  text "DRILLING:" at 11329.46,3063.64 h60
  text "REFERENCE:" at 11404.23,2946.64 h60
  text "X" at 12052.46,2946.64 h60
  text "AS SHOWN" at 12239.46,2946.64 h60
  text "X" at 12953.46,2946.64 h60
  text "NC_DRILL FILES" at 13090.46,2946.64 h60
  text "PTH COPPER THICKNESS:" at 11404.23,2788.64 h60
  text "X" at 12534.46,2788.64 h60
  text "20-30 um" at 12671.46,2788.64 h60
  text "OTHER" at 13388.46,2788.64 h60
  text "BOARD FINISH:" at 11329.46,2629.64 h60
  text "SILKSCREEN:" at 11484.68,2511.64 h60
  text "X" at 12433.46,2511.64 h60
  text "TOP" at 12559.46,2511.64 h60
  text "X" at 12943.46,2511.64 h60
  text "BOTTOM" at 13070.46,2511.64 h60
  text "SILKSCREEN COLOR:" at 11484.68,2344.64 h60
  text "X" at 12432.42,2344.64 h60
  text "WHITE" at 12559.46,2344.64 h60
  text "OTHER" at 13070.46,2344.64 h60
  text "RED" at 13810,2190 h60
  text "GREEN" at 12690.46,2185.44 h60
  text "X" at 13155.42,2185.44 h60
  text "OTHER" at 13308.46,2185.44 h60
  text "SOLDER RESIST COLOR:" at 11484.68,2174.64 h60
  text "MATTE" at 12690.46,2015.44 h60
  text "X" at 13154.96,2014.8 h60
  text "SEMI-GLOSS" at 13308,2014.8 h60
  text "IMMERSION GOLD (ENIG)" at 12390.46,1826.92 h60
  text "ENEPIG" at 13728,1823.64 h60
  text "SURFACE FINISH:" at 11329.46,1822.64 h60
  text "X" at 11497.05,1666 h60
  text "IMM. TIN/SILVER OR EQUIV" at 11659,1665.64 h60
  text "OTHER" at 13090.46,1665.64 h60
  text "ARRAY/PANEL:" at 11329.46,1486.64 h60
  text "CUT AND TRIM PER M1 BOARD OUTLINE" at 12390.46,1482.35 h60
  text "N.C. ROUTE" at 12390.46,1330.64 h60
  text "X" at 13069.46,1330.64 h60
  text "V. SCORE" at 13256.46,1330.64 h60
  text "CERTIFICATION:" at 11329.46,1193.64 h60
  text "MATERIALS AND WORKMANSHIP FOR ALL PCBS" at 12054.46,1193.64 h60
  text "TO MEET OR EXCEED THE REQUIREMENTS OF:" at 12054.46,1095.64 h60
  text "X" at 11680.96,959.13 h60
  text "ANSI IPC-A-600F CLASS ->" at 11819.96,959.13 h60
  text "X" at 13459.02,959.13 h60
  text "2" at 13577.96,959.14 h60
  text "1" at 13262.96,957.64 h60
  text "3" at 13931.96,957.64 h60
  text "X" at 12495.02,799.64 h60
  text "RoHS" at 12631.96,799.64 h60
  text "OTHER" at 13276.36,799.64 h60
  text "PER ORDER" at 13673.42,799.64 h60
  text "ALL BOARDS MUST MEET OR EXCEED UL94-V0 REQUIREMENTS." at 11357,634 h60
  text "PCB MUST BEAR THE UL94V-0 UL REGISTERED MATERIAL ID NUMBER" at 11357,514 h60
  text "ADDITIONAL REQUIREMENTS:" at 11329.46,340.64 h60
  text "MICROSECTION:" at 11404.23,225.64 h60
  text "YES" at 12309.96,225.64 h60
  text "REQUIRED" at 13171.46,69.49 h60
  text "BARE BOARD ELEC. TEST:" at 11404.23,66.64 h60
  text "NONE" at 12709.96,66.64 h60
  text "PER ORDER" at 13763.46,66.64 h60
  text "X" at 13636.42,63.44 h60
  text ".Layer_Name" at 577,-1758.49 h60
M11 Gerber Information:
  lines w10: -292,-1830.17 6308,-1830.17 ; -292,-1626.83 6310,-1626.83 ; -292,-1423.5 -292,-2033.5 3713,-2033.5 6310,-2033.5 6310,-1423.5 -291.5,-1423.5 -291.5,-2033.5 1284,-2033.5 ; 2173,-2033.5 2173,-1423.5 ; 3440,-1626.83 3440,-1423.5 ; 4280,-1626.83 4280,-1423.5 ; 4902,-2040 4902,-1837.17
  text "ALL ARTWORK VIEWED FROM TOP SIDE" at -228.5,-1555.67 h60
  text "BOARD #:" at 2248,-1555.67 h60
  text ".PRJ_Number" at 2793.5,-1555.67 h60
  text "REV:" at 3638,-1555.67 h60
  text ".PCB_Rev" at 3929.5,-1555.67 h60
  text "SVN REV:" at 4476,-1555.67 h60
  text ".VersionControl_RevNumber" at 4982,-1555.67 h60
  text "LAYER NAME =" at -228.5,-1758.49 h60
  text "TID #:" at 2248,-1759 h60
  text ".TID" at 2793.5,-1759 h60
  text "PLOT NAME =" at -228.5,-1964.34 h60
  text ".plot_File_Name" at 577,-1964.34 h60
  text "GENERATED    :" at 2250,-1964.34 h60
  text ".Print_Date" at 3119.5,-1964.34 h60
  text ".Print_Time" at 3848.5,-1964.34 h60
  text "TEXAS INSTRUMENTS" at 5113,-1964.34 h60
M12 Stackup:
  drawing of 456 lines, arcs and shapes, not listed
  text "Layer" at 3907.5,6586.13 h60
  text "Name" at 4317.41,6586.13 h60
  text "Material" at 5247.16,6586.13 h60
  text "Thickness" at 6106.92,6586.13 h60
  text "Constant" at 6756.76,6586.13 h60
  text "Board Layer Stack" at 7326.62,6586.13 h60
  text "1" at 3907.5,6466.13 h60
  text "Top Overlay" at 4317.41,6466.13 h60
  text "2" at 3907.5,6346.13 h60
  text "Top Solder" at 4317.41,6346.13 h60
  text "Solder Resist" at 5247.16,6346.13 h60
  text "0.40mil" at 6106.92,6346.13 h60
  text "3.5" at 6756.76,6346.13 h60
  text "3" at 3907.5,6226.13 h60
  text "Top Layer" at 4317.41,6226.13 h60
  text "Copper" at 5247.16,6226.13 h60
  text "1.40mil" at 6106.92,6226.13 h60
  text "4" at 3907.5,6106.13 h60
  text "Dielectric 2" at 4317.41,6106.13 h60
  text "8.40mil" at 6106.92,6106.13 h60
  text "4.2" at 6756.76,6106.13 h60
  text "5" at 3907.5,5986.13 h60
  text "VCC Layer" at 4317.41,5986.13 h60
  text "Copper" at 5247.16,5986.13 h60
  text "1.42mil" at 6106.92,5986.13 h60
  text "6" at 3907.5,5866.13 h60
  text "Dielectric1" at 4317.41,5866.13 h60
  text "FR-4" at 5247.16,5866.13 h60
  text "40.00mil" at 6106.92,5866.13 h60
  text "4.2" at 6756.76,5866.13 h60
  text "7" at 3907.5,5746.13 h60
  text "GND Layer" at 4317.41,5746.13 h60
  text "Copper" at 5247.16,5746.13 h60
  text "1.42mil" at 6106.92,5746.13 h60
  text "8" at 3907.5,5626.13 h60
  text "Dielectric 3" at 4317.41,5626.13 h60
  text "8.40mil" at 6106.92,5626.13 h60
  text "4.2" at 6756.76,5626.13 h60
  text "9" at 3907.5,5506.13 h60
  text "Bottom Layer" at 4317.41,5506.13 h60
  text "Copper" at 5247.16,5506.13 h60
  text "1.40mil" at 6106.92,5506.13 h60
  text "10" at 3907.5,5386.13 h60
  text "Bottom Solder" at 4317.41,5386.13 h60
  text "Solder Resist" at 5247.16,5386.13 h60
  text "0.40mil" at 6106.92,5386.13 h60
  text "3.5" at 6756.76,5386.13 h60
  text "11" at 3907.5,5266.13 h60
  text "Bottom Overlay" at 4317.41,5266.13 h60
  text ".Layer_Name" at 577,-1758.49 h60
M13 Component Bodies Top:
  text ".Layer_Name" at 577,-1758.49 h60
M14 Component Bodies Bottom:
  text ".Layer_Name" at 577,-1758.49 h60
M15 Courtyards Top:
  text ".Layer_Name" at 577,-1758.49 h60
M16 Courtyards Bottom:
  text ".Layer_Name" at 577,-1758.49 h60
Drill Drawing:
  drawing of 177 lines, arcs and shapes, not listed
  text "Symbol" at 3640.54,3438.33 h72
  text "Quantity" at 3940.85,3438.33 h72
  text "Finished Hole Size" at 4272.68,3438.33 h72
  text "Plated" at 4908.74,3438.33 h72
  text "Hole Type" at 5167.67,3438.33 h72
  text "Drill Layer Pair" at 5542.58,3438.33 h72
  text "Hole Tolerance" at 6266.43,3438.33 h72
  text "Hole Length" at 6795.17,3438.33 h72
  text "8" at 3940.85,3314.1 h60
  text "35.43mil (0.900mm)" at 4272.68,3314.1 h60
  text "NPTH" at 4908.74,3314.1 h60
  text "Round" at 5167.67,3314.1 h60
  text "Top Layer - Bottom Layer" at 5542.58,3314.1 h60
  text "-" at 6795.17,3314.1 h60
  text "3" at 3940.85,3189.87 h60
  text "39.00mil (0.991mm)" at 4272.68,3189.87 h60
  text "NPTH" at 4908.74,3189.87 h60
  text "Round" at 5167.67,3189.87 h60
  text "Top Layer - Bottom Layer" at 5542.58,3189.87 h60
  text "-" at 6795.17,3189.87 h60
  text "2" at 3940.85,3065.64 h60
  text "125.00mil (3.175mm)" at 4272.68,3065.64 h60
  text "NPTH" at 4908.74,3065.64 h60
  text "Round" at 5167.67,3065.64 h60
  text "Top Layer - Bottom Layer" at 5542.58,3065.64 h60
  text "-" at 6795.17,3065.64 h60
  text "8" at 3940.85,2941.42 h60
  text "7.87mil (0.200mm)" at 4272.68,2941.42 h60
  text "PTH" at 4908.74,2941.42 h60
  text "Round" at 5167.67,2941.42 h60
  text "Top Layer - Bottom Layer" at 5542.58,2941.42 h60
  text "-" at 6795.17,2941.42 h60
  text "594" at 3940.85,2817.19 h60
  text "12.00mil (0.305mm)" at 4272.68,2817.19 h60
  text "PTH" at 4908.74,2817.19 h60
  text "Round" at 5167.67,2817.19 h60
  text "Top Layer - Bottom Layer" at 5542.58,2817.19 h60
  text "-" at 6795.17,2817.19 h60
  text "8" at 3940.85,2692.96 h60
  text "35.04mil (0.890mm)" at 4272.68,2692.96 h60
  text "PTH" at 4908.74,2692.96 h60
  text "Round" at 5167.67,2692.96 h60
  text "Top Layer - Bottom Layer" at 5542.58,2692.96 h60
  text "-" at 6795.17,2692.96 h60
  text "52" at 3940.85,2568.73 h60
  text "40.00mil (1.016mm)" at 4272.68,2568.73 h60
  text "PTH" at 4908.74,2568.73 h60
  text "Round" at 5167.67,2568.73 h60
  text "Top Layer - Bottom Layer" at 5542.58,2568.73 h60
  text "-" at 6795.17,2568.73 h60
  text "188" at 3940.85,2444.51 h60
  text "40.16mil (1.020mm)" at 4272.68,2444.51 h60
  text "PTH" at 4908.74,2444.51 h60
  text "Round" at 5167.67,2444.51 h60
  text "Top Layer - Bottom Layer" at 5542.58,2444.51 h60
  text "-" at 6795.17,2444.51 h60
  text "8" at 3940.85,2320.28 h60
  text "47.24mil (1.200mm)" at 4272.68,2320.28 h60
  text "PTH" at 4908.74,2320.28 h60
  text "Round" at 5167.67,2320.28 h60
  text "Top Layer - Bottom Layer" at 5542.58,2320.28 h60
  text "-" at 6795.17,2320.28 h60
  text "2" at 3940.85,2196.05 h60
  text "61.81mil (1.570mm)" at 4272.68,2196.05 h60
  text "PTH" at 4908.74,2196.05 h60
  text "Round" at 5167.67,2196.05 h60
  text "Top Layer - Bottom Layer" at 5542.58,2196.05 h60
  text "-" at 6795.17,2196.05 h60
  text "2" at 3940.85,2071.82 h60
  text "128.00mil (3.251mm)" at 4272.68,2071.82 h60
  text "PTH" at 4908.74,2071.82 h60
  text "Round" at 5167.67,2071.82 h60
  text "Top Layer - Bottom Layer" at 5542.58,2071.82 h60
  text "-" at 6795.17,2071.82 h60
  text "2" at 3940.85,1947.6 h60
  text "23.62mil (0.600mm)" at 4272.68,1947.6 h60
  text "PTH" at 4908.74,1947.6 h60
  text "Slot" at 5167.67,1947.6 h60
  text "Top Layer - Bottom Layer" at 5542.58,1947.6 h60
  text "51.18mil (1.300mm)" at 6795.17,1947.6 h60
  text "2" at 3940.85,1823.37 h60
  text "25.59mil (0.650mm)" at 4272.68,1823.37 h60
  text "PTH" at 4908.74,1823.37 h60
  text "Slot" at 5167.67,1823.37 h60
  text "Top Layer - Bottom Layer" at 5542.58,1823.37 h60
  text "33.46mil (0.850mm)" at 6795.17,1823.37 h60
  text "2" at 3940.85,1699.14 h60
  text "32.48mil (0.825mm)" at 4272.68,1699.14 h60
  text "PTH" at 4908.74,1699.14 h60
  text "Slot" at 5167.67,1699.14 h60
  text "Top Layer - Bottom Layer" at 5542.58,1699.14 h60
  text "59.06mil (1.500mm)" at 6795.17,1699.14 h60
  text "881 Total" at 3940.85,1574.91 h60
  text "Slot definitions :" at 3640.54,1487.96 h60
  text "Routed Path Length" at 4090.91,1487.96 h60
  text "= Calculated from tool start centre position to tool end centre position." at 4630.3,1487.96 h60
  text "Hole Length" at 4090.91,1438.26 h60
  text "= Routed Path Length + Tool Size = Slot length as defined in the PCB layout" at 4430.62,1438.26 h60
  text ".Layer_Name" at 577,-1758.49 h60
M17 Embedded Cavity:
  text ".Layer_Name" at 577,-1758.49 h60
M18 Embedded Assembly:
  text ".Layer_Name" at 577,-1758.49 h60
M19 Embedded Keepout:
  text ".Layer_Name" at 577,-1758.49 h60

## Dimensions
0,0 to -5.01,6855.01 on M2 Board Dimensions
0,0 to 2500,0 on M2 Board Dimensions
0,-1300 to 1000,-1300 on M2 Board Dimensions

## Text inside footprints (layer, text, board x,y; h text height)
J1/J3: Top Overlay "J1" at 131.02,4920 h40; Top Overlay "J3" at 398.43,4920 h40; Top Overlay "10" at 228,3850 h30; Top Overlay "1" at 245,4920 h30; Top Overlay "30" at 325,3850 h30; Top Overlay "21" at 330,4920 h30
J2/J4: Top Overlay "J4" at 1831.02,4920 h40; Top Overlay "J2" at 2098.43,4920 h40; Top Overlay "20" at 2025,4920 h30; Top Overlay "11" at 2033,3850 h30; Top Overlay "31" at 1930,3850 h30; Top Overlay "40" at 1925,4920 h30
J5/J7: Top Overlay "J5" at 131.02,2420 h40; Top Overlay "J7" at 398.43,2420 h40; Top Overlay "10" at 228,1350 h30; Top Overlay "1" at 245,2420 h30; Top Overlay "30" at 325,1350 h30; Top Overlay "21" at 330,2420 h30
J6/J8: Top Overlay "J8" at 1831.02,2420 h40; Top Overlay "J6" at 2098.43,2420 h40; Top Overlay "20" at 2025,2420 h30; Top Overlay "11" at 2033,1350 h30; Top Overlay "31" at 1930,1350 h30; Top Overlay "40" at 1925,2420 h30
Logo2: Bottom Overlay "Pb" at 1859.25,662.18 h120
Logo3: Bottom Overlay "For evaluation only; not FCC approved for resale." at 1875,365 h60